# Altium PCB Audio-Beamformer_V1.0.PcbDoc (part 4 of 11)
Units mm, origin at the board's own origin, x right, y up, seen from the top; angles counter-clockwise.
Board outline 300 x 376 mm, 2 copper layers (Top Layer, Bottom Layer), stack 1.548 mm thick; 1137 components, 629 nets, 3569 pads, 2808 vias.
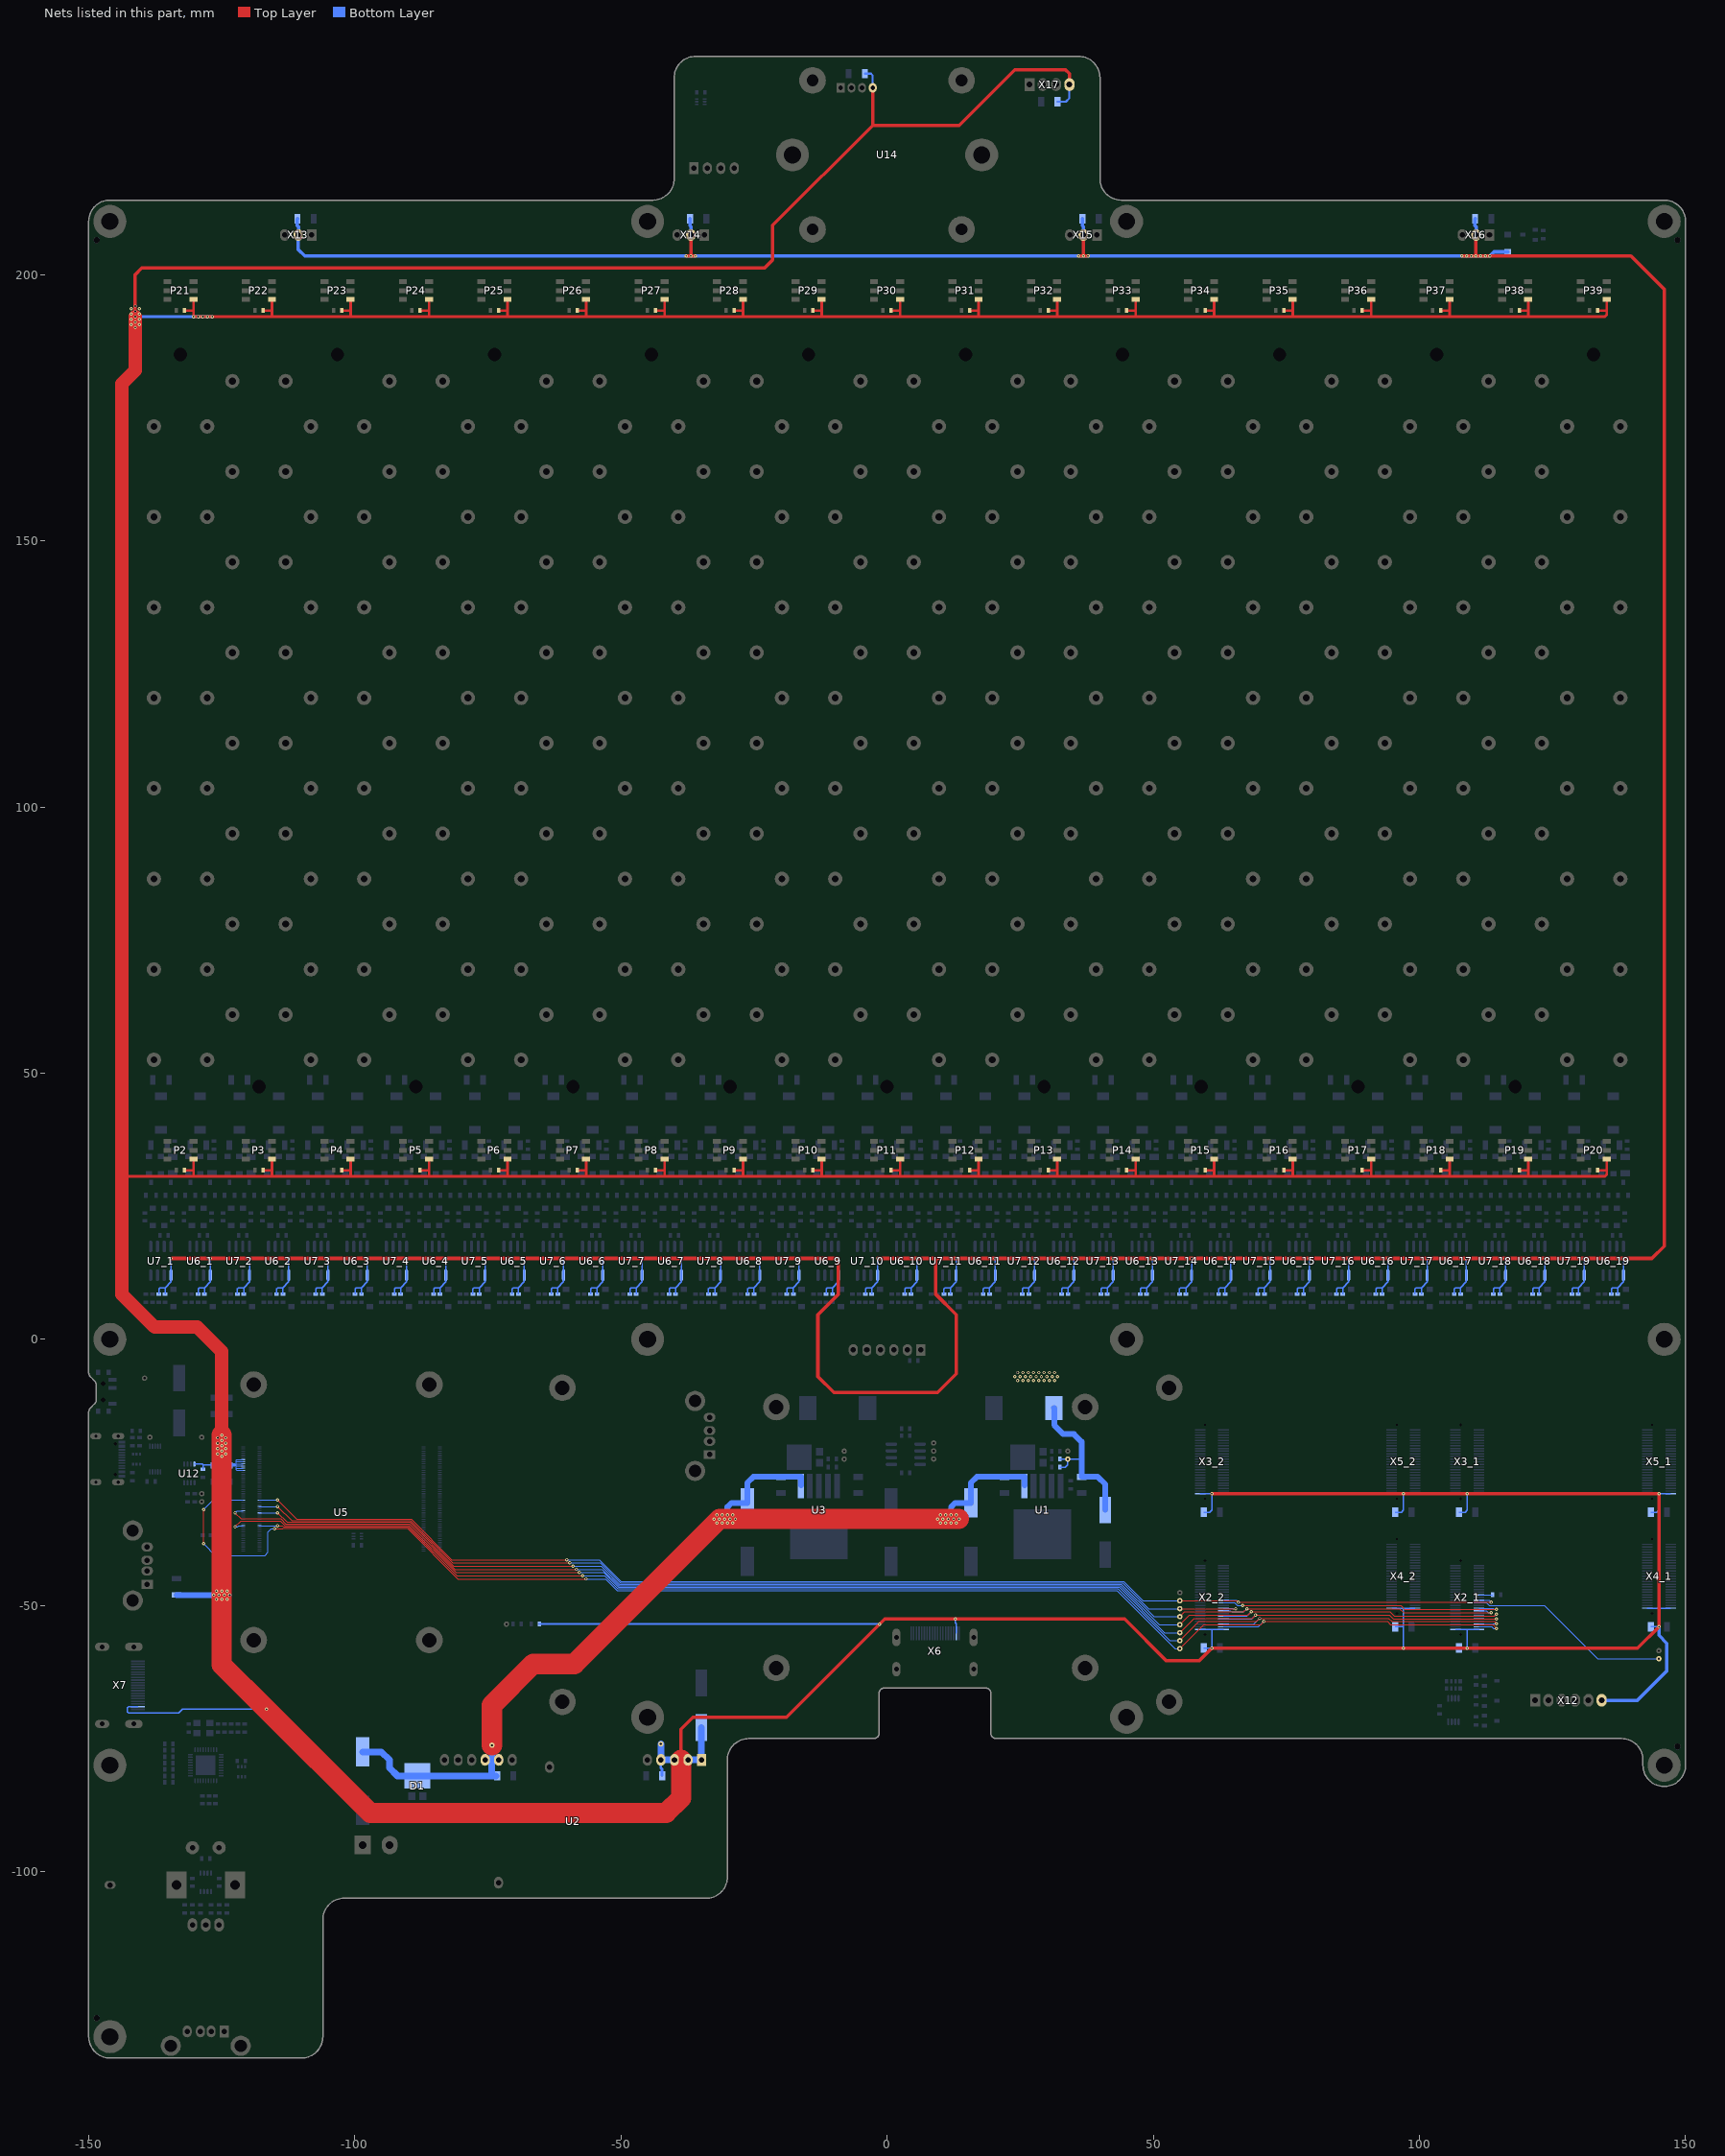
[diagram p4: the nets of this part, all layers, seen from the top]

## Via types
v1: diameter 0.62, hole 0.3, Top Layer to Bottom Layer, tented both sides, 2808 vias

## Nets (pads, with @x,y where several pads share a name; then routed paths per layer and width w, separated by ;. In a path a pad name is that pad's centre, name@x,y a point inside that pad or via, vN(x,y) a via of type N, cw(c..) or ccw(c..) an arc to the next point about the centre after c; other vN are vias at no path point)
5V: C6.2 C7.P C16.2 C17.2 C21_1.2 C21_2.2 C22_1.2 C22_2.2 C23_1.2 C23_2.2 C24_1.2 C24_2.2 C55.2 C56.2 C57.2 C58.2 C59.2 C60.2 C61.2 C62.2 C63.2 C64.2 C65.2 C66.2 C67.2 C68.2 C69.2 C70.2 C71.2 C72.2 C73.2 C74.2 C75.2 C76.2 C77.2 C78.2 C79.2 C80.2 C81.2 C82.2 C83.2 C84.2 C85.2 C86.2 C87.2 C88.2 C89.2 C90.2 C91.2 C92.2 C93.2 C94.2 C96.2 F1.2 P2.4 P3.4 P4.4 P5.4 P6.4 P7.4 P8.4 P9.4 P10.4 P11.4 P12.4 P13.4 P14.4 P15.4 P16.4 P17.4 P18.4 P19.4 P20.4 P21.4 P22.4 P23.4 P24.4 P25.4 P26.4 P27.4 P28.4 P29.4 P30.4 P31.4 P32.4 P33.4 P34.4 P35.4 P36.4 P37.4 P38.4 P39.4 R7.2 TP5.1 U2.1 U2.2 U2.3 U2.4 U5.77 U5.79 U5.81 U5.83 U5.85 U5.87 U12.8 U14.4 X2_1.1 X2_1.50 X2_2.1 X2_2.50 X3_1.1 X3_1.50 X3_2.1 X3_2.50 X4_1.1 X4_1.50 X4_2.1 X4_2.50 X5_1.1 X5_1.50 X5_2.1 X5_2.50 X6.18 X7.18 X12.6 X17.4 | length 1898.6
  Top Layer w0.508: -143.75,30.6 -130.3,30.6 ; C56.2@-131.988,31.75 -130.3,31.75 ; C75.2@-131.988,193.25 -130.3,193.25 ; P2.4@-130.3,33.85 -130.3,31.75 ; P21.4@-130.3,195.35 -130.3,193.25 ; C57.2@-117.238,31.75 -115.55,31.75 ; C76.2@-117.238,193.25 -115.55,193.25 ; P3.4@-115.55,33.85 -115.55,31.75 ; P22.4@-115.55,195.35 -115.55,193.25 ; C58.2@-102.488,31.75 -100.8,31.75 ; C77.2@-102.488,193.25 -100.8,193.25 ; P4.4@-100.8,33.85 -100.8,31.75 ; P23.4@-100.8,195.35 -100.8,193.25 ; C59.2@-87.738,31.75 -86.05,31.75 ; C78.2@-87.738,193.25 -86.05,193.25 ; P5.4@-86.05,33.85 -86.05,31.75 ; P24.4@-86.05,195.35 -86.05,193.25 ; C60.2@-72.988,31.75 -71.3,31.75 ; C79.2@-72.988,193.25 -71.3,193.25 ; P6.4@-71.3,33.85 -71.3,31.75 ; P25.4@-71.3,195.35 -71.3,193.25 ; C61.2@-58.238,31.75 -56.55,31.75 ; C80.2@-58.238,193.25 -56.55,193.25 ; P7.4@-56.55,33.85 -56.55,31.75 ; P26.4@-56.55,195.35 -56.55,193.25 ; C62.2@-43.488,31.75 -41.8,31.75 ; C81.2@-43.488,193.25 -41.8,193.25 ; P8.4@-41.8,33.85 -41.8,31.75 ; P27.4@-41.8,195.35 -41.8,193.25 ; C63.2@-28.738,31.75 -27.05,31.75 ; C82.2@-28.738,193.25 -27.05,193.25 ; P9.4@-27.05,33.85 -27.05,31.75 ; P28.4@-27.05,195.35 -27.05,193.25 ; C64.2@-13.988,31.75 -12.3,31.75 ; C83.2@-13.988,193.25 -12.3,193.25 ; P10.4@-12.3,33.85 -12.3,31.75 ; P29.4@-12.3,195.35 -12.3,193.25 ; C65.2@0.762,31.75 2.45,31.75 ; C84.2@0.762,193.25 2.45,193.25 ; P11.4@2.45,33.85 2.45,31.75 ; P30.4@2.45,195.35 2.45,193.25 ; C66.2@15.512,31.75 17.2,31.75 ; C85.2@15.512,193.25 17.2,193.25 ; P12.4@17.2,33.85 17.2,31.75 ; P31.4@17.2,195.35 17.2,193.25 ; C67.2@30.262,31.75 31.95,31.75 ; C86.2@30.262,193.25 31.95,193.25 ; P13.4@31.95,33.85 31.95,31.75 ; P32.4@31.95,195.35 31.95,193.25 ; C68.2@45.012,31.75 46.7,31.75 ; C87.2@45.012,193.25 46.7,193.25 ; P14.4@46.7,33.85 46.7,31.75 ; P33.4@46.7,195.35 46.7,193.25 ; C69.2@59.762,31.75 61.45,31.75 ; C88.2@59.762,193.25 61.45,193.25 ; P15.4@61.45,33.85 61.45,31.75 ; P34.4@61.45,195.35 61.45,193.25 ; C70.2@74.512,31.75 76.2,31.75 ; C89.2@74.512,193.25 76.2,193.25 ; P16.4@76.2,33.85 76.2,31.75 ; P35.4@76.2,195.35 76.2,193.25 ; C71.2@89.262,31.75 90.95,31.75 ; C90.2@89.262,193.25 90.95,193.25 ; P17.4@90.95,33.85 90.95,31.75 ; P36.4@90.95,195.35 90.95,193.25 ; C72.2@104.012,31.75 105.7,31.75 ; C91.2@104.012,193.25 105.7,193.25 ; P18.4@105.7,33.85 105.7,31.75 ; P37.4@105.7,195.35 105.7,193.25 ; C73.2@118.762,31.75 120.45,31.75 ; C92.2@118.762,193.25 120.45,193.25 ; P19.4@120.45,33.85 120.45,31.75 ; P38.4@120.45,195.35 120.45,193.25 ; C74.2@133.512,31.75 135.2,31.75 ; C93.2@133.512,193.25 135.2,193.25 ; P20.4@135.2,33.85 135.2,31.75 ; P39.4@135.2,195.35 135.2,193.25 ; -130.3,30.6 -115.55,30.6 ; -130.3,30.6 -130.3,31.75 ; -130.3,193.25 v1(-130.3,192.1) -115.55,192.1 ; -115.55,30.6 -100.8,30.6 ; -115.55,30.6 -115.55,31.75 ; -115.55,192.1 -115.55,193.25 ; -115.55,192.1 -100.8,192.1 ; -100.8,30.6 -86.05,30.6 ; -100.8,30.6 -100.8,31.75 ; -100.8,192.1 -86.05,192.1 ; -100.8,192.1 -100.8,193.25 ; -86.05,30.6 -71.3,30.6 ; -86.05,30.6 -86.05,31.75 ; -86.05,192.1 -71.3,192.1 ; -86.05,192.1 -86.05,193.25 ; -71.3,30.6 -56.55,30.6 ; -71.3,30.6 -71.3,31.75 ; -71.3,192.1 -71.3,193.25 ; -71.3,192.1 -56.55,192.1 ; -56.55,30.6 -41.8,30.6 ; -56.55,30.6 -56.55,31.75 ; -56.55,192.1 -56.55,193.25 ; -56.55,192.1 -41.8,192.1 ; -41.8,30.6 -27.05,30.6 ; -41.8,30.6 -41.8,31.75 ; -41.8,192.1 -27.05,192.1 ; -41.8,192.1 -41.8,193.25 ; -27.05,30.6 -12.3,30.6 ; -27.05,30.6 -27.05,31.75 ; -27.05,192.1 -12.3,192.1 ; -27.05,192.1 -27.05,193.25 ; -12.3,30.6 2.45,30.6 ; -12.3,30.6 -12.3,31.75 ; -12.3,192.1 2.45,192.1 ; -12.3,192.1 -12.3,193.25 ; 2.45,30.6 17.2,30.6 ; 2.45,30.6 2.45,31.75 ; 2.45,192.1 2.45,193.25 ; 2.45,192.1 17.2,192.1 ; 17.2,30.6 31.95,30.6 ; 17.2,30.6 17.2,31.75 ; 17.2,192.1 31.95,192.1 ; 17.2,192.1 17.2,193.25 ; 31.95,30.6 46.7,30.6 ; 31.95,30.6 31.95,31.75 ; 31.95,192.1 46.7,192.1 ; 31.95,192.1 31.95,193.25 ; 46.7,30.6 61.45,30.6 ; 46.7,30.6 46.7,31.75 ; 46.7,192.1 46.7,193.25 ; 46.7,192.1 61.45,192.1 ; 61.45,30.6 76.2,30.6 ; 61.45,30.6 61.45,31.75 ; 61.45,192.1 76.2,192.1 ; 61.45,192.1 61.45,193.25 ; 76.2,30.6 90.95,30.6 ; 76.2,30.6 76.2,31.75 ; 76.2,192.1 90.95,192.1 ; 76.2,192.1 76.2,193.25 ; 90.95,30.6 105.7,30.6 ; 90.95,30.6 90.95,31.75 ; 90.95,192.1 105.7,192.1 ; 90.95,192.1 90.95,193.25 ; 105.7,30.6 120.45,30.6 ; 105.7,30.6 105.7,31.75 ; 105.7,192.1 120.45,192.1 ; 105.7,192.1 105.7,193.25 ; 120.45,30.6 134.85,30.6 135.2,30.95 135.2,31.75 ; 120.45,30.6 120.45,31.75 ; 120.45,192.1 134.85,192.1 135.2,192.45 135.2,193.25 ; 120.45,192.1 120.45,193.25
  Top Layer w0.635: v1(-141.25,193.1) v1(-141.25,194.1) -141.25,200 -140,201.25 -23,201.25 -21.5,202.75 -21.5,209.25 -2.7,228.05 ; U2.3@-39.95,-79 -38.75,-77.8 -38.75,-73.25 -36.5,-71 -18.9,-71 -0.4,-52.5 v1(12.8,-52.5) 44.6,-52.5 52.5,-60.4 58.6,-60.4 v1(61,-58) v1(109,-58) 134.3,-58 ; U14.4@-2.7,235.1 -2.7,228.05 ; X17.4@34.25,235.7 34.25,237.75 33.5,238.5 24,238.5 13.55,228.05 -2.7,228.05 ; v1(61,-29) v1(97,-29) v1(109,-29) v1(145,-29) v1(145,-54) 141,-58 134.3,-58 ; 134.25,-58.05 134.3,-58
  Top Layer w2.5: v1@-141.25,190 -141.25,182 -143.75,179.5 -143.75,30.6 -143.75,8.45 -137.6,2.3 -129.6,2.3 -125,-2.3 v1(-125,-18) ; v1@-141.25,190.175 v1(-141.25,192.1)
  Top Layer w3.81: v1(-125,-18) v1(-125,-19) v1(-125,-20) v1(-125,-21) v1(-125,-22) -125,-46.55 -125,-61.1 v1(-116.6,-69.5) -97.1,-89 -41.534,-89 -38.7,-86.166 -38.7,-79.025
  Bottom Layer w0.2: U5.77@-121,-24.6 -122.183,-24.6 -122.3,-24.483 -122.3,-24.2 ; U5.79@-121,-24.2 -122.3,-24.2 ; U5.81@-121,-23.8 -122.3,-23.8 ; U5.83@-121,-23.4 -122.3,-23.4 ; U5.85@-121,-23 -122.3,-23 ; U5.87@-121,-22.6 -122.183,-22.6 -122.3,-22.717 -122.3,-23 ; -122.3,-24.2 -122.3,-23.8 ; -122.3,-23.8 -122.3,-23.4 ; -122.3,-23.4 -122.3,-23
  Bottom Layer w0.25: v1(12.8,-52.5) 12.8,-53.2 13,-53.4 X6.18@13,-55.24 ; X2_2.50@58.8,-54.5 61,-54.5 ; X3_2.50@58.8,-29 v1(61,-29) ; C21_2.2@59.476,-58 v1(61,-58) 61,-54.5 ; C22_2.2@59.476,-32.5 60.6,-32.5 61,-32.1 v1(61,-29) ; X2_2.1@63.2,-54.5 61,-54.5 ; X3_2.1@63.2,-29 v1(61,-29) ; X4_2.50@94.8,-50.5 97,-50.5 ; X5_2.50@94.8,-29 v1(97,-29) ; C23_2.2@95.476,-54 97,-54 ; C24_2.2@95.476,-32.5 96.6,-32.5 97,-32.1 v1(97,-29) ; v1(97,-58) 97,-50.5 ; X4_2.1@99.2,-50.5 97,-50.5 ; X5_2.1@99.2,-29 v1(97,-29) ; X2_1.50@106.8,-54.5 109,-54.5 ; X3_1.50@106.8,-29 v1(109,-29) ; C21_1.2@107.476,-58 109,-58 109,-54.5 ; C22_1.2@107.476,-32.5 108.6,-32.5 109,-32.1 v1(109,-29) ; X2_1.1@111.2,-54.5 109,-54.5 ; X3_1.1@111.2,-29 v1(109,-29) ; X4_1.50@142.8,-50.5 145,-50.5 ; X5_1.50@142.8,-29 v1(145,-29) ; C23_1.2@143.476,-54 v1(145,-54) 145,-50.5 ; C24_1.2@143.476,-32.5 144.6,-32.5 145,-32.1 v1(145,-29) ; X4_1.1@147.2,-50.5 145,-50.5 ; X5_1.1@147.2,-29 v1(145,-29)
  Bottom Layer w0.254: X7.18@-140.74,-69 -142.5,-69 -142.7,-69.2 -142.7,-70 -142.5,-70.2 -133.1,-70.2 -132.4,-69.5 v1(-116.6,-69.5) ; U12.8@-130.125,-23.45 -128.65,-23.45 -128.5,-23.6 ; C55.2@-128.5,-24.438 -128.5,-23.6 ; C17.2@-126.2,-23.676 -126.276,-23.6 -128.5,-23.6
  Bottom Layer w0.381: R7.2@-65.338,-53.5 v1(-1.4,-53.5) ; C96.2@-4.176,237.75 -3.05,237.75 -2.7,237.4 U14.4@-2.7,235.1 ; C94.2@32.024,232.5 33.6,232.5 34.25,233.15 X17.4@34.25,235.7
  Bottom Layer w0.508: v1(-141.25,192.1) v1(-130.3,192.1) v1(-126.8,192.1) ; C17.2@-126.2,-23.676 -126.2,-23.6 C16.2@-123.8,-23.6 ; C16.2@-123.8,-23.676 C16.2@-123.8,-23.6 ; C16.2@-123.4,-23.6 C16.2@-123.8,-23.6 ; U2.4@-42.52,-79.02 -42.52,-80.49 -42.27,-80.74 C6.2@-42.27,-81.966
  Bottom Layer w0.635: C16.2@-123.4,-23.6 -122.6,-23.6 ; X12.6@134.25,-67.8 141,-67.8 146.5,-62.3 146.5,-57.1 145,-55.6 v1(145,-54)
  Bottom Layer w1.016: F1.2@-133.5,-48.05 v1(-126.5,-48.05)
  Bottom Layer w1.27: v1(-126.5,-48.05) v1(-125.5,-48.05) v1(-124.5,-48.05) v1@-123.776,-48.05 ; U2.4@-42.5,-79 TP5.1@-42.5,-76 ; U2.4@-42.49,-78.99 U2.1@-34.88,-78.99 ; U2.1@-34.88,-79 U2.1@-34.88,-78.99 ; C7.P@-34.88,-72.95 U2.1@-34.88,-78.99 ; U2.1@-34.87,-78.99 U2.1@-34.88,-78.99
  other v1: -126,-48.8 -125,-48.8 -124,-48.8 -123.5,-48.05 -126,-47.3 -125,-47.3 -124,-47.3 -125.75,-21.5 -124.25,-21.5 -125.75,-20.5 -124.25,-20.5 -125.75,-19.5 -124.25,-19.5 -125.75,-18.5 -124.25,-18.5 -141.25,190.1 -142,190.6 -140.5,190.6 -141.25,191.1 -142,191.6 -140.5,191.6 -129.425,192.1 -128.55,192.1 -127.675,192.1 -142,192.6 -140.5,192.6 -142,193.6 -140.5,193.6
12V: C1.2 C2.2 C3.P C26_1.2 C26_2.2 C26_3.2 C26_4.2 C26_5.2 C26_6.2 C26_7.2 C26_8.2 C26_9.2 C26_10.2 C26_11.2 C26_12.2 C26_13.2 C26_14.2 C26_15.2 C26_16.2 C26_17.2 C26_18.2 C26_19.2 C30_1.2 C30_2.2 C30_3.2 C30_4.2 C30_5.2 C30_6.2 C30_7.2 C30_8.2 C30_9.2 C30_10.2 C30_11.2 C30_12.2 C30_13.2 C30_14.2 C30_15.2 C30_16.2 C30_17.2 C30_18.2 C30_19.2 C51.2 C52.2 C53.2 C54.2 D16.K L1.1 R2.2 R11_1.2 R11_2.2 R11_3.2 R11_4.2 R11_5.2 R11_6.2 R11_7.2 R11_8.2 R11_9.2 R11_10.2 R11_11.2 R11_12.2 R11_13.2 R11_14.2 R11_15.2 R11_16.2 R11_17.2 R11_18.2 R11_19.2 R17_1.2 R17_2.2 R17_3.2 R17_4.2 R17_5.2 R17_6.2 R17_7.2 R17_8.2 R17_9.2 R17_10.2 R17_11.2 R17_12.2 R17_13.2 R17_14.2 R17_15.2 R17_16.2 R17_17.2 R17_18.2 R17_19.2 TP3.1 U6_1.1 U6_2.1 U6_3.1 U6_4.1 U6_5.1 U6_6.1 U6_7.1 U6_8.1 U6_9.1 U6_10.1 U6_11.1 U6_12.1 U6_13.1 U6_14.1 U6_15.1 U6_16.1 U6_17.1 U6_18.1 U6_19.1 U7_1.1 U7_2.1 U7_3.1 U7_4.1 U7_5.1 U7_6.1 U7_7.1 U7_8.1 U7_9.1 U7_10.1 U7_11.1 U7_12.1 U7_13.1 U7_14.1 U7_15.1 U7_16.1 U7_17.1 U7_18.1 U7_19.1 X13.2 X14.2 X15.2 X16.2 | length 1218.8
  Top Layer w0.635: v1(-134.54,15.203) v1(-127.165,15.203) ; v1@-127.163,15.203 v1(-119.79,15.203) v1(-112.414,15.203) ; v1@-112.413,15.203 v1(-105.04,15.203) v1@-97.666,15.203 ; v1(-97.665,15.203) v1(-90.29,15.203) v1@-82.916,15.203 ; v1(-82.915,15.203) v1(-75.54,15.203) v1@-68.166,15.203 ; v1(-68.164,15.203) v1(-60.79,15.203) v1@-53.416,15.203 ; v1(-53.415,15.203) v1(-46.04,15.203) v1@-38.666,15.203 ; v1(-38.664,15.203) v1(-31.29,15.203) v1(-23.915,15.203) ; v1(-37.75,203.5) v1(-36.875,203.5) ; X14.2@-36.875,207.45 v1(-36.875,203.5) ; v1(-36,203.5) v1(-36.875,203.5) ; v1(-23.915,15.203) v1(-16.54,15.203) v1(-9.165,15.203) ; v1(-9.165,15.203) -9.165,8.436 -13,4.6 -13,-7 -10,-10 9.5,-10 13,-6.5 13,4.6 9.165,8.436 9.165,15.203 ; v1(-1.79,15.203) v1(5.586,15.203) ; v1@5.587,15.203 9.165,15.203 ; v1@27.708,15.203 v1(20.336,15.203) v1(12.96,15.203) 9.165,15.203 ; v1(27.711,15.203) v1(35.086,15.203) v1@42.458,15.203 ; v1(36,203.5) v1(36.875,203.5) ; X15.2@36.875,207.45 v1(36.875,203.5) ; v1(37.75,203.5) v1(36.875,203.5) ; v1(42.46,15.203) v1(49.836,15.203) v1@57.208,15.203 ; v1(57.211,15.203) v1(64.586,15.203) v1@71.958,15.203 ; v1(71.96,15.203) v1(79.336,15.203) v1@86.708,15.203 ; v1(86.71,15.203) v1(94.086,15.203) v1@101.458,15.203 ; v1(101.461,15.203) 108.834,15.203 v1(116.21,15.203) ; v1(108,203.5) 108.5,203.5 v1(110.625,203.5) ; X16.2@110.625,207.45 v1(110.625,203.5) ; v1(116.21,15.203) v1(123.586,15.203) v1(130.961,15.203) ; v1(130.961,15.203) v1(138.336,15.203) ; v1(138.336,15.203) 143.703,15.203 146,17.5 146,197.25 139.75,203.5 v1(113.25,203.5) v1(110.625,203.5)
  Bottom Layer w0.254: C30_1.2@-136.806,8.531 -136.806,9.5 -136.6,9.706 -135.625,9.706 ; R17_1.2@-135.625,8.512 -135.625,9.706 ; U7_1.1@-134.534,12.049 -134.534,10.797 -135.625,9.706 ; U7_1.1@-134.532,12.051 v1@-134.532,15.203 ; C26_1.2@-129.45,8.512 -129.431,8.531 -129.431,9.5 -129.225,9.706 -128.25,9.706 ; R11_1.2@-128.25,8.512 -128.25,9.706 ; v1@-127.157,15.203 U6_1.1@-127.157,12.051 -127.159,12.049 -127.159,10.797 -128.25,9.706 ; C30_2.2@-122.056,8.531 -122.056,9.5 -121.85,9.706 -120.875,9.706 ; R17_2.2@-120.875,8.512 -120.875,9.706 ; U7_2.1@-119.784,12.049 -119.784,10.797 -120.875,9.706 ; U7_2.1@-119.782,12.051 v1@-119.782,15.203 ; C26_2.2@-114.7,8.512 -114.681,8.531 -114.681,9.5 -114.475,9.706 -113.5,9.706 ; R11_2.2@-113.5,8.512 -113.5,9.706 ; v1@-112.407,15.203 U6_2.1@-112.407,12.051 -112.409,12.049 -112.409,10.797 -113.5,9.706 ; C30_3.2@-107.306,8.531 -107.306,9.5 -107.1,9.706 -106.125,9.706 ; R17_3.2@-106.125,8.512 -106.125,9.706 ; U7_3.1@-105.034,12.049 -105.034,10.797 -106.125,9.706 ; U7_3.1@-105.032,12.051 v1@-105.032,15.203 ; C26_3.2@-99.95,8.512 -99.931,8.531 -99.931,9.5 -99.725,9.706 -98.75,9.706 ; R11_3.2@-98.75,8.512 -98.75,9.706 ; v1@-97.657,15.203 U6_3.1@-97.657,12.051 -97.659,12.049 -97.659,10.797 -98.75,9.706 ; C30_4.2@-92.556,8.531 -92.556,9.5 -92.35,9.706 -91.375,9.706 ; R17_4.2@-91.375,8.512 -91.375,9.706 ; U7_4.1@-90.284,12.049 -90.284,10.797 -91.375,9.706 ; U7_4.1@-90.282,12.051 v1@-90.282,15.203 ; C26_4.2@-85.2,8.512 -85.181,8.531 -85.181,9.5 -84.975,9.706 -84,9.706 ; R11_4.2@-84,8.512 -84,9.706 ; v1@-82.907,15.203 U6_4.1@-82.907,12.051 -82.909,12.049 -82.909,10.797 -84,9.706 ; C30_5.2@-77.806,8.531 -77.806,9.5 -77.6,9.706 -76.625,9.706 ; R17_5.2@-76.625,8.512 -76.625,9.706 ; U7_5.1@-75.534,12.049 -75.534,10.797 -76.625,9.706 ; U7_5.1@-75.532,12.051 v1@-75.532,15.203 ; C26_5.2@-70.45,8.512 -70.431,8.531 -70.431,9.5 -70.225,9.706 -69.25,9.706 ; R11_5.2@-69.25,8.512 -69.25,9.706 ; v1@-68.157,15.203 U6_5.1@-68.157,12.051 -68.159,12.049 -68.159,10.797 -69.25,9.706 ; C30_6.2@-63.056,8.531 -63.056,9.5 -62.85,9.706 -61.875,9.706 ; R17_6.2@-61.875,8.512 -61.875,9.706 ; U7_6.1@-60.784,12.049 -60.784,10.797 -61.875,9.706 ; U7_6.1@-60.782,12.051 v1@-60.782,15.203 ; C26_6.2@-55.7,8.512 -55.681,8.531 -55.681,9.5 -55.475,9.706 -54.5,9.706 ; R11_6.2@-54.5,8.512 -54.5,9.706 ; v1@-53.407,15.203 U6_6.1@-53.407,12.051 -53.409,12.049 -53.409,10.797 -54.5,9.706 ; C30_7.2@-48.306,8.531 -48.306,9.5 -48.1,9.706 -47.125,9.706 ; R17_7.2@-47.125,8.512 -47.125,9.706 ; U7_7.1@-46.034,12.049 -46.034,10.797 -47.125,9.706 ; U7_7.1@-46.032,12.051 v1@-46.032,15.203 ; C26_7.2@-40.95,8.512 -40.931,8.531 -40.931,9.5 -40.725,9.706 -39.75,9.706 ; R11_7.2@-39.75,8.512 -39.75,9.706 ; v1@-38.657,15.203 U6_7.1@-38.657,12.051 -38.659,12.049 -38.659,10.797 -39.75,9.706 ; C30_8.2@-33.556,8.531 -33.556,9.5 -33.35,9.706 -32.375,9.706 ; R17_8.2@-32.375,8.512 -32.375,9.706 ; U7_8.1@-31.284,12.049 -31.284,10.797 -32.375,9.706 ; U7_8.1@-31.282,12.051 v1@-31.282,15.203 ; C26_8.2@-26.2,8.512 -26.181,8.531 -26.181,9.5 -25.975,9.706 -25,9.706 ; R11_8.2@-25,8.512 -25,9.706 ; v1@-23.907,15.203 U6_8.1@-23.907,12.051 -23.909,12.049 -23.909,10.797 -25,9.706 ; C30_9.2@-18.806,8.531 -18.806,9.5 -18.6,9.706 -17.625,9.706 ; R17_9.2@-17.625,8.512 -17.625,9.706 ; U7_9.1@-16.534,12.049 -16.534,10.797 -17.625,9.706 ; U7_9.1@-16.532,12.051 v1@-16.532,15.203 ; C26_9.2@-11.45,8.512 -11.431,8.531 -11.431,9.5 -11.225,9.706 -10.25,9.706 ; R11_9.2@-10.25,8.512 -10.25,9.706 ; v1@-9.157,15.203 U6_9.1@-9.157,12.051 -9.159,12.049 -9.159,10.797 -10.25,9.706 ; C30_10.2@-4.056,8.531 -4.056,9.5 -3.85,9.706 -2.875,9.706 ; R17_10.2@-2.875,8.512 -2.875,9.706 ; U7_10.1@-1.784,12.049 -1.784,10.797 -2.875,9.706 ; U7_10.1@-1.782,12.051 v1@-1.782,15.203 ; C26_10.2@3.3,8.512 3.319,8.531 3.319,9.5 3.525,9.706 4.5,9.706 ; R11_10.2@4.5,8.512 4.5,9.706 ; v1@5.593,15.203 U6_10.1@5.593,12.051 5.591,12.049 5.591,10.797 4.5,9.706 ; C30_11.2@10.694,8.531 10.694,9.5 10.9,9.706 11.875,9.706 ; R17_11.2@11.875,8.512 11.875,9.706 ; U7_11.1@12.966,12.049 12.966,10.797 11.875,9.706 ; U7_11.1@12.968,12.051 v1@12.968,15.203 ; C26_11.2@18.05,8.512 18.069,8.531 18.069,9.5 18.275,9.706 19.25,9.706 ; R11_11.2@19.25,8.512 19.25,9.706 ; v1@20.343,15.203 U6_11.1@20.343,12.051 20.341,12.049 20.341,10.797 19.25,9.706 ; C30_12.2@25.444,8.531 25.444,9.5 25.65,9.706 26.625,9.706 ; R17_12.2@26.625,8.512 26.625,9.706 ; U7_12.1@27.716,12.049 27.716,10.797 26.625,9.706 ; U7_12.1@27.718,12.051 v1@27.718,15.203 ; C1.2@32.462,-24 33.5,-24 33.95,-23.55 TP3.1@33.95,-22.5 ; R2.2@32.462,-22.5 TP3.1@33.95,-22.5 ; C26_12.2@32.8,8.512 32.819,8.531 32.819,9.5 33.025,9.706 34,9.706 ; R11_12.2@34,8.512 34,9.706 ; v1@35.093,15.203 U6_12.1@35.093,12.051 35.091,12.049 35.091,10.797 34,9.706 ; 36.55,-22.538 36.512,-22.5 TP3.1@33.95,-22.5 ; C30_13.2@40.194,8.531 40.194,9.5 40.4,9.706 41.375,9.706 ; R17_13.2@41.375,8.512 41.375,9.706 ; U7_13.1@42.466,12.049 42.466,10.797 41.375,9.706 ; U7_13.1@42.468,12.051 v1@42.468,15.203 ; C26_13.2@47.55,8.512 47.569,8.531 47.569,9.5 47.775,9.706 48.75,9.706 ; R11_13.2@48.75,8.512 48.75,9.706 ; v1@49.843,15.203 U6_13.1@49.843,12.051 49.841,12.049 49.841,10.797 48.75,9.706 ; C30_14.2@54.944,8.531 54.944,9.5 55.15,9.706 56.125,9.706 ; R17_14.2@56.125,8.512 56.125,9.706 ; U7_14.1@57.216,12.049 57.216,10.797 56.125,9.706 ; U7_14.1@57.218,12.051 v1@57.218,15.203 ; C26_14.2@62.3,8.512 62.319,8.531 62.319,9.5 62.525,9.706 63.5,9.706 ; R11_14.2@63.5,8.512 63.5,9.706 ; v1@64.593,15.203 U6_14.1@64.593,12.051 64.591,12.049 64.591,10.797 63.5,9.706 ; C30_15.2@69.694,8.531 69.694,9.5 69.9,9.706 70.875,9.706 ; R17_15.2@70.875,8.512 70.875,9.706 ; U7_15.1@71.966,12.049 71.966,10.797 70.875,9.706 ; U7_15.1@71.968,12.051 v1@71.968,15.203 ; C26_15.2@77.05,8.512 77.069,8.531 77.069,9.5 77.275,9.706 78.25,9.706 ; R11_15.2@78.25,8.512 78.25,9.706 ; v1@79.343,15.203 U6_15.1@79.343,12.051 79.341,12.049 79.341,10.797 78.25,9.706 ; C30_16.2@84.444,8.531 84.444,9.5 84.65,9.706 85.625,9.706 ; R17_16.2@85.625,8.512 85.625,9.706 ; U7_16.1@86.716,12.049 86.716,10.797 85.625,9.706 ; U7_16.1@86.718,12.051 v1@86.718,15.203 ; C26_16.2@91.8,8.512 91.819,8.531 91.819,9.5 92.025,9.706 93,9.706 ; R11_16.2@93,8.512 93,9.706 ; v1@94.093,15.203 U6_16.1@94.093,12.051 94.091,12.049 94.091,10.797 93,9.706 ; C30_17.2@99.194,8.531 99.194,9.5 99.4,9.706 100.375,9.706 ; R17_17.2@100.375,8.512 100.375,9.706 ; U7_17.1@101.466,12.049 101.466,10.797 100.375,9.706 ; U7_17.1@101.468,12.051 v1@101.468,15.203 ; C26_17.2@106.55,8.512 106.569,8.531 106.569,9.5 106.775,9.706 107.75,9.706 ; R11_17.2@107.75,8.512 107.75,9.706 ; v1@108.843,15.203 U6_17.1@108.843,12.051 108.841,12.049 108.841,10.797 107.75,9.706 ; C30_18.2@113.944,8.531 113.944,9.5 114.15,9.706 115.125,9.706 ; R17_18.2@115.125,8.512 115.125,9.706 ; U7_18.1@116.216,12.049 116.216,10.797 115.125,9.706 ; U7_18.1@116.218,12.051 v1@116.218,15.203 ; C26_18.2@121.3,8.512 121.319,8.531 121.319,9.5 121.525,9.706 122.5,9.706 ; R11_18.2@122.5,8.512 122.5,9.706 ; v1@123.593,15.203 U6_18.1@123.593,12.051 123.591,12.049 123.591,10.797 122.5,9.706 ; C30_19.2@128.694,8.531 128.694,9.5 128.9,9.706 129.875,9.706 ; R17_19.2@129.875,8.512 129.875,9.706 ; U7_19.1@130.966,12.049 130.966,10.797 129.875,9.706 ; U7_19.1@130.968,12.051 v1@130.968,15.203 ; C26_19.2@136.05,8.512 136.069,8.531 136.069,9.5 136.275,9.706 137.25,9.706 ; R11_19.2@137.25,8.512 137.25,9.706 ; v1@138.343,15.203 U6_19.1@138.343,12.051 138.341,12.049 138.341,10.797 137.25,9.706
  Bottom Layer w0.635: C51.2@-110.774,210.5 -110.8,210.474 -110.8,209.2 -110.6,209 -110.6,207.475 X13.2@-110.625,207.45 -110.625,204.725 -109.4,203.5 v1(-36.875,203.5) v1(36.875,203.5) v1(110.625,203.5) v1(113.25,203.5) 114.03,204.28 D16.K@116.6,204.28 ; C52.2@-37.024,210.5 -37.05,210.474 -37.05,209.2 -36.85,209 -36.85,207.475 X14.2@-36.875,207.45 ; C53.2@36.726,210.5 36.7,210.474 36.7,209.2 36.9,209 36.9,207.475 X15.2@36.875,207.45 ; C54.2@110.476,210.5 110.45,210.474 110.45,209.2 110.65,209 110.65,207.475 X16.2@110.625,207.45
  Bottom Layer w1.067: L1.1@31.325,-12.875 31.4,-12.95 31.4,-16.1 33.1,-17.8 35.1,-17.8 36.55,-19.25 36.55,-22.538 C2.2@36.55,-25.826 39.576,-25.826 41,-27.25 C3.P@41,-32.05
  other v1: 24.5,-7.75 25.5,-7.75 26.5,-7.75 27.5,-7.75 28.5,-7.75 29.5,-7.75 30.5,-7.75 31.5,-7.75 24,-7 25,-7 26,-7 27,-7 28,-7 29,-7 30,-7 31,-7 32,-7 24.5,-6.25 25.5,-6.25 26.5,-6.25 27.5,-6.25 28.5,-6.25 29.5,-6.25 30.5,-6.25 31.5,-6.25 108.836,15.203 108.875,203.5 109.75,203.5 111.5,203.5 112.375,203.5
48V: C4.P C5.2 C8.P C9.2 C13.P C14.2 D1.K TP4.1 U1.1 U2.7 U2.8 U3.1 | length 189.8
  Top Layer w3.81: TP4.1@-74.24,-76.26 -74.24,-68.74 -66.5,-61 -58.75,-61 v1(-31.5,-33.75) v1(-30.5,-33.75) v1(-29.5,-33.75) ; -30,-33.75 v1(9.5,-33.75) ; v1(-28.5,-33.75) v1@-28.299,-33.75 ; 10,-33.75 v1(13.5,-33.75)
  Bottom Layer w1.067: v1(-30,-33) -30,-31.5 -29.25,-30.75 C13.P@-26.25,-30.75 -26.25,-26.95 -25.126,-25.826 C14.2@-19.95,-25.826 U3.1@-16.184,-25.826 ; U3.1@-16.184,-25.973 -16.168,-25.989 U3.1@-16.168,-27.397 ; v1(12,-33) 12,-31.5 12.75,-30.75 C8.P@15.75,-30.75 15.75,-26.95 16.874,-25.826 C9.2@22.05,-25.826 U1.1@25.816,-25.826 ; U1.1@25.816,-25.973 25.832,-25.989 U1.1@25.832,-27.397
  Bottom Layer w1.27: C4.P@-98.5,-77.5 -95,-77.5 -93.5,-79 -93.5,-80.5 -92,-82 D1.K@-88.25,-82 -75.5,-82 C5.2@-73.5,-82 ; U2.8@-75.5,-79.01 U2.8@-75.51,-79 -74.24,-79 -74.23,-78.99 TP4.1@-74.23,-76.26 TP4.1@-74.24,-76.27 ; U2.8@-75.49,-79.02 U2.7@-72.76,-79.02 ; -74.25,-81.74 -74.25,-79.01
  other v1: -32,-34.5 -31,-34.5 -30,-34.5 -29,-34.5 10,-34.5 11,-34.5 12,-34.5 13,-34.5 -32.5,-33.75 10.5,-33.75 11.5,-33.75 12.5,-33.75 -32,-33 -31,-33 -29,-33 10,-33 11,-33 13,-33
A2_1: TP15.1 U5.49 X2_1.2 X2_2.2 | length 286.2
  Top Layer w0.152: v1(-128.4,-38.4) -128.4,-32.277 -128.25,-32.127 v1@-128.25,-32 ; v1(-115.1,-35.6) -113.5,-35.6 -113.4,-35.5 -108.5,-35.5 -90.095,-35.5 -80.595,-45 v1(-56.6,-45) ; TP15.1@55,-58.1 59.5,-53.6 70.2,-53.6 v1(70.8,-53) 94,-53 94.6,-53.6 113.8,-53.6 v1(114.5,-54.3)
  Bottom Layer w0.152: v1(-128.4,-38.4) -126.2,-40.6 -116.9,-40.6 -116.3,-40 -116.3,-36.2 -115.7,-35.6 v1(-115.1,-35.6) ; v1(-128.4,-32) -126.6,-30.2 U5.49@-121,-30.2 ; v1(-56.6,-45) -52.895,-45 -50.719,-47.176 43.176,-47.176 54.1,-58.1 TP15.1@55,-58.1 ; X2_2.2@63.2,-54 69.8,-54 v1(70.8,-53) ; X2_1.2@111.2,-54 113.6,-54 113.9,-54.3 v1(114.5,-54.3)
A3_1: TP17.1 U5.26 X2_1.3 X2_2.3 | length 254.1
  Top Layer w0.152: v1(-114.5,-35) -113.6,-35 -113.379,-35.221 -108.5,-35.221 -89.979,-35.221 -80.8,-44.4 v1(-57.2,-44.4) ; TP17.1@55,-56.6 58.6,-53 69.4,-53 v1(70,-52.4) 94.2,-52.4 94.8,-53 114.1,-53 v1(114.5,-53.4)
  Bottom Layer w0.152: U5.26@-117.92,-35 v1(-114.5,-35) ; v1(-57.2,-44.4) -53.071,-44.4 -50.594,-46.876 43.376,-46.876 53.1,-56.6 TP17.1@55,-56.6 ; X2_2.3@63.2,-53.5 68.9,-53.5 v1(70,-52.4) ; X2_1.3@111.2,-53.5 113.8,-53.5 113.9,-53.4 v1(114.5,-53.4)
A5_1: TP19.1 U5.25 X2_1.5 X2_2.5 | length 259
  Top Layer w0.152: v1(-122.5,-35.2) -121.4,-34.1 -114,-34.1 -113.179,-34.921 -89.884,-34.921 -81.005,-43.8 v1(-57.8,-43.8) ; TP19.1@55,-55.1 57.7,-52.4 68.6,-52.4 v1(69.2,-51.8) 94.4,-51.8 95.1,-52.5 v1(114.5,-52.5)
  Bottom Layer w0.152: v1(-122.5,-35.2) -122,-35.2 -121.8,-35 U5.25@-121,-35 ; v1(-57.8,-43.8) -53.276,-43.8 -50.479,-46.597 43.597,-46.597 52.1,-55.1 TP19.1@55,-55.1 ; X2_2.5@63.2,-52.5 68.5,-52.5 v1(69.2,-51.8) ; X2_1.5@111.2,-52.5 v1(114.5,-52.5)
A6_1: TP16.1 U5.39 X2_1.6 X2_2.6 | length 257.9
  Top Layer w0.152: v1(-122.5,-32.6) -121.4,-33.7 -113.9,-33.7 -112.959,-34.641 -89.768,-34.641 -81.21,-43.2 v1(-58.4,-43.2) ; TP16.1@55,-53.6 56.8,-51.8 67.8,-51.8 v1(68.4,-51.2) 94.5,-51.2 95.3,-52 114.1,-52 v1(114.5,-51.6)
  Bottom Layer w0.152: v1(-122.5,-32.6) -122.1,-32.2 U5.39@-121,-32.2 ; v1(-58.4,-43.2) -53.481,-43.2 -50.363,-46.318 43.818,-46.318 51.1,-53.6 TP16.1@55,-53.6 ; X2_2.6@63.2,-52 67.6,-52 v1(68.4,-51.2) ; X2_1.6@111.2,-52 114.1,-52 v1(114.5,-51.6)
A8_1: TP18.1 U5.38 X2_1.8 X2_2.8 | length 247.6
  Top Layer w0.152: v1(-114.5,-32.6) -112.738,-34.362 -89.653,-34.362 -81.415,-42.6 v1(-59,-42.6) ; TP18.1@55,-52.1 55.9,-51.2 67,-51.2 v1(67.6,-50.6) 96.3,-50.6 97.05,-51.35 v1(113.5,-51.35)
  Bottom Layer w0.152: U5.38@-117.92,-32.6 v1(-114.5,-32.6) ; v1(-59,-42.6) -53.685,-42.6 -50.247,-46.038 44.038,-46.038 50.1,-52.1 TP18.1@55,-52.1 ; X2_2.8@63.2,-51 64.5,-51 64.7,-51.2 67,-51.2 v1(67.6,-50.6) ; X2_1.8@111.2,-51 112.6,-51 112.95,-51.35 v1(113.5,-51.35)
A9_1: X2_1.9 X2_2.11 | length 55.2
  Top Layer w0.152: v1(66.8,-50) 96.5,-50 97.2,-50.7 v1(114.5,-50.7)
  Bottom Layer w0.152: X2_2.11@63.2,-49.5 65.3,-49.5 65.8,-50 v1(66.8,-50) ; X2_1.9@111.2,-50.5 113.8,-50.5 114,-50.7 v1(114.5,-50.7)
A9_2: TP20.1 U5.44 X2_2.9 | length 193.7
  Top Layer w0.152: v1(-114.5,-31.4) -111.818,-34.082 -89.537,-34.082 -81.619,-42 v1(-59.6,-42) ; TP20.1@55,-50.6 v1(65.5,-50.6)
  Bottom Layer w0.152: U5.44@-117.92,-31.4 v1(-114.5,-31.4) ; v1(-59.6,-42) -53.89,-42 -50.131,-45.759 44.259,-45.759 49.1,-50.6 TP20.1@55,-50.6 ; X2_2.9@63.2,-50.5 64.8,-50.5 64.9,-50.6 v1(65.5,-50.6)
A11_1: TP1.1 X2_1.11 | length 38.1
  Bottom Layer w0.152: X2_1.11@111.2,-49.5 112.6,-49.5 113.1,-50 123.5,-50 133.5,-60 TP1.1@145,-60
A12_1: TP11.1 U5.50 X2_1.12 X2_2.12 | length 244.8
  Top Layer w0.152: v1(-114.5,-30.2) -110.897,-33.803 -89.421,-33.803 -81.824,-41.4 v1(-60.2,-41.4) ; TP11.1@55,-49.1 65.677,-49.1 65.977,-49.4 v1(66,-49.4) v1(113.5,-49.4)
  Bottom Layer w0.152: U5.50@-117.92,-30.2 v1(-114.5,-30.2) ; v1(-60.2,-41.4) -54.095,-41.4 -50.016,-45.479 44.479,-45.479 48.1,-49.1 TP11.1@55,-49.1 ; X2_2.12@63.2,-49 65.6,-49 v1(66,-49.4) ; X2_1.12@111.2,-49 113.1,-49 v1(113.5,-49.4)
A14_1: R1.1 X2_1.14 | length 2.5
  Bottom Layer w0.152: X2_1.14@111.2,-48 R1.1@113.738,-48